# Allegro board rt1064_brkout_new_mem_layout.brd (continued)
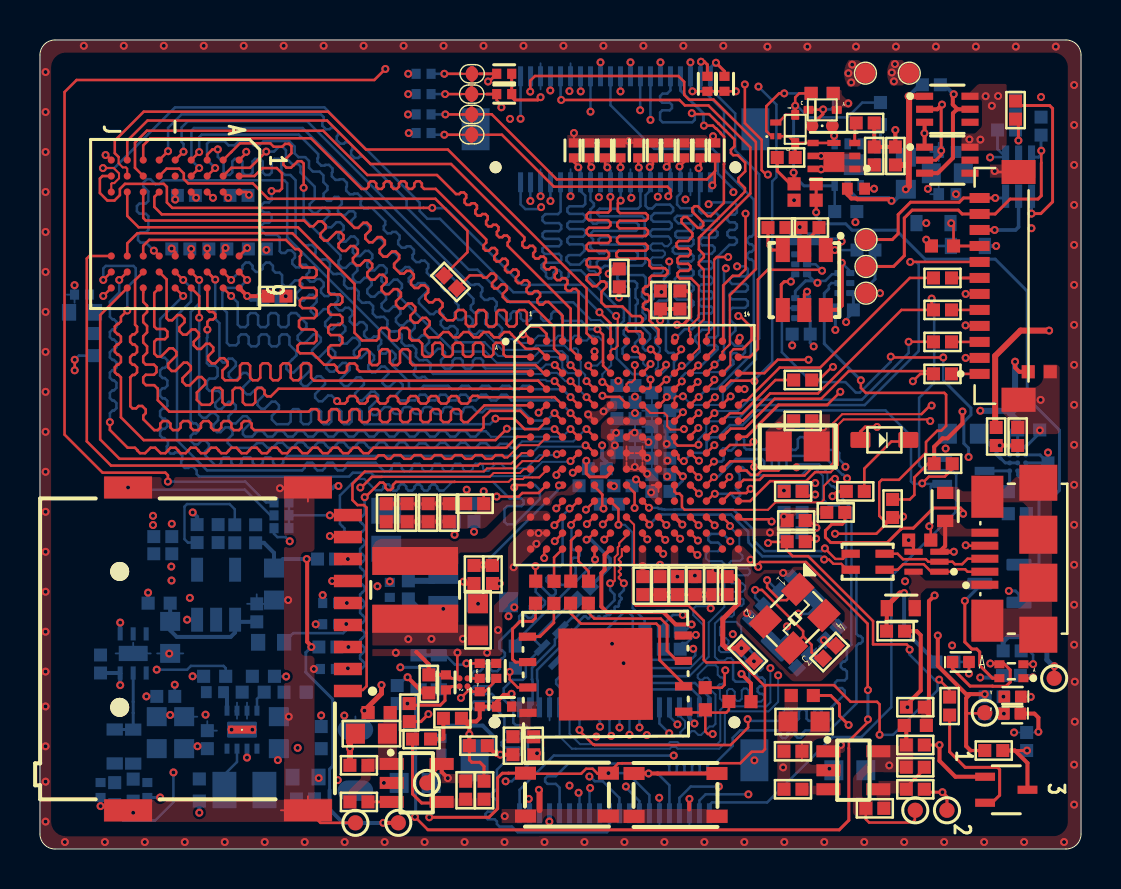
[diagram p0: board, top side]
## Routing (per net, layer and track width the routed paths; a pad name or vN(x,y) marks a point on that pad's centre or on a via; arc(x,y) is an arc through that point) (continued)
JTAG_NSRST: length 2.5
  TOP w0.131: v1(45.6,31.31) 45.72,31.19 R106.2
  TOP w0.147: R106.2 J4.9
JTAG_NTRST: length 23.1
  TOP w0.127: J4.8 v1(43.55,29.37) ; U7.G10 31.75,20.34 31.91,20.18 32.88,20.18 32.92,20.23 v1(32.95,20.23)
  BOTTOM w0.102: 32.95,20.46 32.95,20.49 33.34,20.88 33.34,21.21 33.53,21.4 34.06,21.4 34.27,21.61 35.02,21.61
  BOTTOM w0.127: v1(43.55,29.37) 43.85,29.37 43.97,29.24 43.97,24.91 41.27,22.21 35.62,22.21 35.02,21.61
  BOTTOM w0.15: v1(32.95,20.23) 32.95,20.46
JTAG_TCK: length 13.3
  TOP w0.127: R112.1 44.57,25.37 44.57,25.37 v1(43.47,25.37) ; U7.F12 v1(33.75,21.81)
  BOTTOM w0.102: v1(33.75,21.81) 33.85,21.91 34.59,21.91 34.59,21.91 34.89,21.91 34.89,21.91 34.91,21.91
  BOTTOM w0.127: v1(43.47,25.37) 43.47,24.82 41.13,22.47 35.48,22.47 34.91,21.91
JTAG_TMS: length 12.4
  TOP w0.127: R110.1 43.53,28.57 39.04,24.09 37.01,24.09 35.38,22.45 35.18,22.45 34.95,22.23 U7.E14
LDO_1V8: length 5.4
  TOP w0.15: TP29.1 19.36,3.52 U3.5
  TOP w0.2: C21.1 20.15,5.5 20.19,5.54 C25.1 ; v1(20.41,3.55) 20.1,3.86 U3.5
  BOTTOM w0.2: L11.1 20.09,4.79 20.09,4.35 19.58,3.84 C24.1
MCU_DCDC_IN_3V3: length 1
  TOP w0.127: v1(22.2,17.89) C10.1
  TOP w0.2: R47.2 v1(23.01,13.28)
  GND1 w0.2: v1(22.2,17.89) 22.2,17.89 22.14,17.89
  vias: v1(17.51,13.38) v1(18.9,16.37) v1(19.96,16.39)
MCU_ON/OFF: length 26.1
  TOP w0.127: v1(28.17,16.24) 28.53,16.61 U7.M6
  TOP w0.2: SW1.3 30.91,3.78 v1(30.45,3.78) SW1.4
  SIG1 w0.127: v1(28.17,16.24) 28.17,16.26 28.53,16.63 29.11,16.63 29.42,16.32 29.42,13.64 30.44,12.63 30.44,9.5 27.39,6.46 27.39,5.51 27.7,5.2 28.15,5.2 28.26,5.31 28.39,5.31 28.42,5.27 28.75,5.27 28.79,5.31 30.27,5.31 30.45,5.12 v1(30.45,3.78)
  BOTTOM w0.127: J6.32 31.5,3.19 30.91,3.78 v1(30.45,3.78)
MR: length 3.8
  BOTTOM w0.15: U2.5 4.67,7.37 4.67,7.37 4.67,6.81 4.67,6.81 D8.A 4.66,5.98 D6.A
NVCC_GPIO_3V3: length 5.1
  TOP w0.127: U7.E9 30.97,22.23 31.02,22.23 31.37,22.58 v1(31.37,22.61) ; v1(32.18,21.85) 31.75,21.43 U7.F10
  TOP w0.2: v1(32.17,18.64) 32.15,18.64 32.08,18.72 32.06,18.72 31.77,19.01 U7.J10 ; FB5.2 C78.1 31.05,26.46 v1(31.03,26.45)
  BOTTOM w0.147: C80.1 31.62,17.89 32.15,18.42 32.15,18.62 v1(32.17,18.64)
  BOTTOM w0.2: C79.1 32.03,21.93 32.05,21.91 32.12,21.91 v1(32.18,21.85)
NVCC_SD0: length 2.6
  TOP w0.15: U7.J6 28.55,18.82 28.35,18.62 27.51,18.62 27.34,18.79 v1(27.34,19.43)
  BOTTOM w0.15: C82.1 27.34,19.13 v1(27.34,19.43)
  vias: v1(5.66,16.67) v1(5.66,16.21)
NVCC_SD1: length 1.4
  TOP w0.127: 27.75,18.13 28.13,17.75 28.13,17.7 28.14,17.7 28.14,17.09
  TOP w0.15: 28.14,17.09 v1(28.2,17.03)
  TOP w0.2: U7.K5 27.75,18.13
  vias: v1(37.23,17.93)
OVR_V_CTL: length 3
  TOP w0.127: 39.18,36.99 38.47,36.99 D3.C
  TOP w0.15: v1(39.19,37) 39.18,36.99 39.18,36.76 38.63,36.22 R5.2
  BOTTOM w0.127: v1(39.19,37) 39.57,37 39.7,37.13 R6.1
OVR_V_FLAG: length 17.2
  TOP w0.127: R11.1 37.99,37.8 37.79,37.6 37.79,37.19 v1(37.79,37.19) ; Q3.3 36.95,36.34 37.34,36.73 D1.A
  TOP w0.15: C7.2 36.9,34.59 36.9,33.92 37.54,33.28 R12.1 37.74,33.82 v1(37.71,33.84) ; D1.A v1(37.79,37.19)
  BOTTOM w0.127: v1(37.79,37.19) 37.88,37.19 38.47,36.6 40.4,36.6 41.15,37.35 R10.1 ; R7.2 Q2.3
  BOTTOM w0.15: v1(37.79,37.19) 37.71,37.1 v1(37.71,33.84) 37.74,33.82 37.74,33.68 38.23,33.18 39.75,33.18 Q2.3
PMIC_ON_REQ: length 23.6
  TOP w0.09: U7.K7 29.35,18.21 29.36,18.22
  TOP w0.127: v1(29.75,17.06) 29.75,17.82 29.37,18.21 U7.K7
  SIG1 w0.127: v1(29.75,17.06) 29.75,17.08 29.12,17.71 24.84,17.71 15.59,8.46 12.45,8.46 12.32,8.59 v1(12.32,8.63)
  BOTTOM w0.127: v1(12.32,8.63) 11.74,8.63 R21.2
POR_B: length 129.3
  TOP w0.102: 29.81,12.18 29.66,12.32 29.66,14.03 29.73,14.09 29.73,16.23 29.35,16.6 U7.M7 ; R43.2 37.37,15.35
  TOP w0.127: 36.28,8.14 36.28,4.99 36.15,4.86 35.62,4.86 35.05,4.29 33.27,4.29 33.27,4.29 30.34,4.29 30.33,4.29 29.12,4.29 29.12,4.29 28.94,4.29 v1(28.45,3.8) 28.42,3.77 27.9,3.77 27.65,4.02 27.33,4.02 27.08,3.77 24.32,3.77 SW2.4 ; 36.28,8.14 35.66,8.76 35.66,8.76 35.08,9.33 33.35,9.33 33.22,9.46 33.22,11.42 32.46,12.18 29.81,12.18 ; 36.28,8.14 36.34,8.2 39.73,8.2 40.57,7.36 41.89,7.36 42.02,7.24 v1(42.02,5.71) ; v1(43.52,9.97) 43.52,10.08 43.37,10.24 41.69,10.24 41.69,11.4 38.44,14.65 37.67,14.65 37.37,14.95 37.37,15.35 ; v1(36.44,15.31) 36.49,15.36 37.29,15.36 37.3,15.38 R43.2 ; R44.2 45.52,7.95 v1(45,8.47)
  TOP w0.15: v1(19.48,1.59) 22.47,1.59 22.9,2.02 22.9,3.55 23.14,3.79 23.44,3.79 23.45,3.8 SW2.4
  SIG1 w0.127: 6.92,4.19 6.92,4.07 v1(6.68,3.83) ; 6.92,4.19 7.05,4.06 16.71,4.06 16.72,4.07 ; 6.92,4.19 6.92,8.05 v1(6.75,8.22) ; v1(45,8.47) 47.62,11.09 47.62,22.21 47.49,22.34 46.03,22.34 44.64,20.95 44.31,20.95 44.08,21.18 44.08,22.63 44.48,23.04 44.48,26.66 45.06,27.24 45.06,30.6 v1(44.35,31.31)
  SIG1 w0.15: v1(19.48,1.59) 18.74,2.33 17.37,2.33 16.74,2.96 16.74,4.05 16.72,4.07 16.72,6.8 17.96,8.04 17.96,9.01 v1(18.03,9.09)
  BOTTOM w0.127: J6.28 30.5,2.7 29.4,3.8 v1(28.45,3.8) ; R25.1 3.74,1.83 4.15,1.42 5.76,1.42 6.68,2.35 v1(6.68,3.83) ; v1(43.52,9.97) 43.52,9.72 44.92,8.32 44.92,7.94 42.69,5.71 v1(42.02,5.71) ; C61.1 v1(6.75,8.22)
  BOTTOM w0.15: 19.96,7.99 20.02,8.05 20.02,8.73 19.66,9.09 v1(18.03,9.09) ; D13.A v1(44.35,31.31)
  BOTTOM w0.16: 44.77,8.47 v1(45,8.47)
PWR_IN: length 10.3
  TOP w0.127: Q3.2 37.46,35.66 D1.C Q1.4 Q1.8
  TOP w0.15: R5.1 39.74,36.09 39.74,35.79 39.74,35.78 v1(39.74,35.69) 39.74,35.64 39.73,35.63 Q1.8 ; D1.C C7.1
  SIG1 w0.127: v1(39.74,35.69) 39.79,35.64 39.79,31.49 39.92,31.36 v1(40.81,31.36)
  BOTTOM w0.127: R7.1 40.81,31.82 v1(40.81,31.36)
SD1_CLK: length 21.3
  TOP w0.127: v1(25.84,18.71) 25.84,18.81 26.04,19.01 U7.J3
  SIG1 w0.127: v1(14.15,12.7) 14.24,12.79 15.71,12.79 16.69,13.77 16.69,13.92 16.81,14.03 17.12,14.03 17.23,14.14 17.23,14.3 17.12,14.41 16.81,14.41 16.69,14.52 16.69,14.68 16.81,14.79 17.12,14.79 17.23,14.9 17.23,15.06 17.12,15.17 16.81,15.17 16.69,15.28 16.69,15.44 16.81,15.55 17.12,15.55 17.23,15.67 17.23,15.82 17.12,15.93 16.81,15.93 16.69,16.05 16.69,16.2 16.81,16.32 17.12,16.32 17.23,16.43 17.23,16.58 17.12,16.7 16.81,16.7 16.69,16.81 16.69,17.84 17.23,18.37 20.72,18.37 20.73,18.38 21.05,18.38 21.06,18.37 22.79,18.37 23.51,17.65 24.05,17.65 24.53,18.13 25.2,18.13 25.78,18.71 v1(25.84,18.71)
  BOTTOM w0.127: R79.1 v1(14.15,12.7)
SD1_CMD: length 22.5
  TOP w0.127: U7.J4 26.84,19.01 v1(26.66,18.83) ; v1(15.44,10.11) J1.3
  SIG1 w0.127: v1(26.66,18.83) 26.56,18.83 26.2,19.18 25.02,19.18 24.8,18.96 24.8,18.96 24.72,18.88 14.62,18.88 13.76,18.01 13.76,11.91 15.44,10.23 v1(15.44,10.11)
SD1_D0: length 21.4
  TOP w0.102: U7.J1 24.21,19.01 24.02,18.81 22.7,18.81 22.51,18.62 17.11,18.62
  TOP w0.127: 17.11,18.62 16.61,18.62 16.08,18.08 v1(16.03,18.08)
  SIG1 w0.127: v1(15.41,14.51) 15.41,13.97 15.28,13.84 14.25,13.84 14.12,13.97 14.12,14.61 14.41,14.9 15.45,14.9 15.59,15.03 15.59,15.17 15.49,15.27 14.35,15.27 14.31,15.27 14.12,15.46 14.12,16 14.25,16.13 15.62,16.13 15.8,16.3 15.8,16.43 15.69,16.54 15.21,16.54 15.1,16.65 15.1,16.81 15.21,16.92 15.69,16.92 15.8,17.03 15.8,17.29 15.67,17.41 15.2,17.41 15.09,17.52 15.09,17.68 15.2,17.79 15.7,17.79 15.99,18.08 v1(16.03,18.08)
SD1_D1: length 22.6
  TOP w0.127: v1(23.73,18.09) 23.85,18.21 U7.K1 24.55,18.22 ; v1(14.51,15.66) 15.36,15.66 J1.8
  BOTTOM w0.102: 22.67,18.36 20.63,18.36 20.2,17.94
  BOTTOM w0.11: 16.79,17.95 16.23,18.51 15.83,18.51 15.58,18.26
  BOTTOM w0.127: 16.79,17.95 17.09,17.95 17.18,18.04 17.18,18.13 17.3,18.25 17.45,18.25 17.56,18.13 17.56,18.04 17.68,17.93 17.83,17.93 17.95,18.04 17.95,18.13 18.06,18.25 18.21,18.25 18.33,18.13 18.33,18.04 18.44,17.93 18.62,17.93 18.74,18.04 18.74,18.12 18.85,18.23 19,18.23 19.12,18.12 19.12,18.04 19.23,17.93 19.39,17.93 19.5,18.04 19.5,18.12 19.61,18.23 19.77,18.23 19.88,18.12 19.88,18.05 19.99,17.94 20.2,17.94 ; v1(23.73,18.09) 23.86,18.21 24.77,18.21 25.02,17.96 25.02,17.52 23.74,16.24 23.37,16.24 23.24,16.37 23.24,17.01 23.39,17.16 24.09,17.16 24.21,17.27 24.21,17.43 24.09,17.54 23.5,17.54 22.67,18.36 ; 15.58,18.26 15.58,18.25 15.01,17.68 15.01,17.03 15.12,16.91 15.12,16.91 15.24,16.8 15.24,16.65 15.12,16.53 15.12,16.53 15.01,16.42 15.01,16.26 15.12,16.15 15.12,16.15 15.24,16.04 15.24,15.91 14.98,15.66 v1(14.51,15.66)
SD1_D2: length 22
  TOP w0.102: U7.H2 24.95,19.41 24.14,19.41 23.78,19.04 22.37,19.04 22.21,18.89 16.26,18.89
  TOP w0.127: 16.26,18.89 15.64,18.27 15.64,17.46 15.89,17.21 16.21,17.21 16.34,17.08 16.34,10.82 16.35,10.81 16.35,8.15 16.16,7.96 15.46,7.96 J1.1
SD1_D3: length 21.5
  TOP w0.1: 24.25,18.59 24.17,18.51 23.59,18.51 23.45,18.37
  TOP w0.102: 23.45,18.37 20.75,18.37 ; 24.64,18.59 24.25,18.59
  TOP w0.11: 25.35,18.95 24.99,18.59 24.64,18.59
  TOP w0.127: v1(16.25,17.6) 16.37,17.71 16.39,17.71 17.01,18.33 17.17,18.33 17.29,18.22 17.29,18.07 17.4,17.96 17.55,17.96 17.67,18.07 17.67,18.22 17.82,18.37 20.75,18.37 20.75,18.37 ; v1(15.41,9.04) J1.2 ; U7.J2 25.35,18.95
  BOTTOM w0.127: v1(15.41,9.04) 16.12,9.04 16.25,9.17 16.25,9.3 16.14,9.41 16.13,9.41 16.02,9.52 16.02,9.68 16.13,9.79 16.14,9.79 16.25,9.9 16.25,10.06 16.14,10.17 16.13,10.17 16.02,10.29 16.02,10.44 16.13,10.56 16.14,10.56 16.25,10.67 16.25,10.82 16.14,10.94 16.13,10.94 16.02,11.05 16.02,11.21 16.13,11.32 16.14,11.32 16.25,11.43 16.25,11.59 16.14,11.7 16.13,11.7 16.02,11.81 16.02,11.97 16.13,12.08 16.14,12.08 16.25,12.19 16.25,12.35 16.14,12.46 16.13,12.46 16.02,12.57 16.02,12.73 16.13,12.84 16.14,12.84 16.25,12.95 16.25,13.11 16.14,13.22 16.13,13.22 16.02,13.33 16.02,13.49 16.13,13.6 16.14,13.6 16.25,13.71 16.25,13.87 16.14,13.98 16.13,13.98 16.02,14.1 16.02,14.25 16.13,14.37 16.14,14.37 16.25,14.48 16.25,14.63 16.14,14.75 16.13,14.75 16.02,14.86 16.02,15.02 16.13,15.13 16.14,15.13 16.25,15.24 16.25,15.4 16.14,15.51 16.13,15.51 16.02,15.62 16.02,15.78 16.13,15.89 16.14,15.89 16.25,16 16.25,16.16 16.14,16.27 16.13,16.27 16.02,16.38 16.02,16.54 16.13,16.65 16.14,16.65 16.25,16.76 16.25,17.38
  BOTTOM w0.15: v1(16.25,17.6) 16.25,17.38
SD_CD_SW: length 82.3
  TOP w0.127: v1(35.75,23.4) 35.72,23.43 34.57,23.43 U7.D13 ; v1(17.28,39.02) 16.73,38.47 1.83,38.47 1.23,37.87 1.23,20.73 3.13,18.83 6.27,18.83 6.4,18.7 v1(6.4,18.38)
  POWER w0.127: v1(17.28,39.02) 17.47,39.21 20.57,39.21 20.84,38.94 35.15,38.94 v1(35.95,38.14)
  BOTTOM w0.127: v1(35.95,38.14) 36.85,37.24 36.85,33.61 36.64,33.4 36.64,24.36 35.75,23.47 v1(35.75,23.4) ; v1(6.4,18.38) 10.27,18.38 11.31,17.34 R78.2
SD_PWREN: length 50.5
  TOP w0.102: 35.94,14.26 v1(35.94,14.11)
  TOP w0.127: v1(41.43,7.95) 41.42,7.96 41.42,11.27 38.33,14.36 36.04,14.36 35.94,14.26 ; 40.48,5.04 40.48,5.4 41.43,6.35 v1(41.43,6.48) ; U7.M12 v1(33.76,16.19) ; v1(18.76,1.61) 19.41,0.96
  TOP w0.15: 19.41,0.96 40,0.96 40.48,1.44 40.48,5.04
  SIG1 w0.127: v1(35.94,14.11) 35.94,14.29 35.96,14.31 35.96,14.65 34.93,15.69 34.93,16.38 34.7,16.61 34.16,16.61 33.76,16.21 v1(33.76,16.19)
  BOTTOM w0.127: 18.8,1.64 v1(18.76,1.61)
  BOTTOM w0.15: v1(41.43,6.48) v1(41.43,7.95) ; 18.94,7.99 18.8,7.84 18.8,1.64
SDRAM_3V3: length 10.9
  TOP w0.127: U9.A7 v1(10.37,30.07) ; U9.E7 6.77,29.86 v1(6.59,30.04) ; U9.C7 v1(8.37,30.05) ; U9.B3 9.42,32.61 v1(9.42,32.57) ; U9.J9 v1(3.17,27.67) ; v1(7.81,32.58) 7.76,32.63 7.76,32.67 U9.D3
  TOP w0.2: U9.A9 v1(10.37,27.67) 10.37,27.66 C90.1
  GND2 w0.127: 8.84,29.4 10.2,29.4 10.37,29.57 v1(10.37,30.07) ; 8.84,29.4 6.81,29.4 6.59,29.62 v1(6.59,30.04) ; 8.84,29.4 8.71,29.53 8.71,29.7 v1(8.37,30.05)
  BOTTOM w0.2: C93.1 10.55,27.48 v1(10.37,27.67)
SDRAM_CLK: length 19.8
  TOP w0.127: U9.F2 6.34,34.04 6.96,34.04 7.2,33.8 7.2,33.51 7.41,33.3 10.65,33.3 11.43,32.53 19.79,32.53 21.39,30.93 21.39,29.86 R74.2
SEMC_A0: length 33.9
  TOP w0.127: U7.C2 25.21,23.81 24.81,24.21 18.65,24.21 18.52,24.34 18.52,24.88 18.4,25 18.14,25 18.02,24.88 18.02,24.34 17.89,24.21 17.63,24.21 17.51,24.34 17.51,24.88 17.38,25 17.13,25 17,24.88 17,24.34 16.87,24.21 16.62,24.21 16.49,24.34 16.49,24.88 16.36,25 16.11,25 15.98,24.88 15.98,24.7 15.86,24.57 14.61,24.57 14.43,24.76 14.43,25.08 14.55,25.2 15,25.2 15.13,25.33 15.13,25.58 15,25.71 14.55,25.71 14.43,25.84 14.43,26.09 14.55,26.22 15,26.22 15.13,26.35 15.13,26.6 15,26.73 14.55,26.73 14.43,26.85 14.43,27.11 14.55,27.24 15,27.24 15.13,27.36 15.13,27.62 15,27.74 14.55,27.74 14.43,27.87 14.43,28.97 14.44,28.99 12.63,30.81 4.88,30.81 4.37,30.3 U9.H7
SEMC_A1: length 34.7
  TOP w0.127: U9.H8 v1(3.97,28.47) ; U7.G1 24.53,20.63 23.88,20.63 23.33,20.07 16.69,20.07 16.56,19.95 16.56,19.93 16.44,19.8 16.18,19.8 16.06,19.93 16.06,19.95 15.93,20.07 15.68,20.07 15.55,19.95 15.55,19.93 15.42,19.8 15.17,19.8 15.04,19.93 15.04,19.95 14.91,20.07 14.66,20.07 14.53,19.95 14.53,19.93 14.41,19.8 14.15,19.8 14.02,19.93 14.02,19.95 13.9,20.07 13.64,20.07 13.52,19.95 13.52,19.93 13.39,19.8 13.14,19.8 13.01,19.93 13.01,19.95 12.88,20.07 12.63,20.07 12.5,19.95 12.5,19.93 12.37,19.8 12.12,19.8 11.99,19.93 11.99,19.95 11.87,20.07 11.61,20.07 11.48,19.95 11.48,19.93 11.36,19.8 11.1,19.8 10.98,19.93 10.98,19.95 10.85,20.07 10.6,20.07 10.47,19.95 10.47,19.93 10.34,19.8 10.09,19.8 9.96,19.93 9.96,19.95 9.83,20.07 9.58,20.07 9.45,19.95 9.45,19.93 9.33,19.8 9.07,19.8 8.94,19.93 8.94,19.95 8.82,20.07 8.56,20.07 8.44,19.95 8.44,19.93 8.31,19.8 8.06,19.8 7.93,19.93 7.93,19.95 7.8,20.07 7.55,20.07 7.42,19.95 7.42,19.93 7.29,19.8 7.04,19.8 6.91,19.93 6.91,19.95 6.79,20.07 6.53,20.07 6.4,19.95 6.4,19.93 6.28,19.8 6.04,19.8 5.77,20.07 5.53,20.07 5.26,19.8 5.01,19.8 4.88,19.93 4.88,19.95 4.75,20.07 4.39,20.07 3.5,20.97 v1(3.5,21.36)
  BOTTOM w0.127: v1(3.5,21.36) 3.5,21.8 3.62,21.93 3.7,21.93 3.83,22.06 3.83,22.31 3.7,22.44 3.62,22.44 3.5,22.56 3.5,22.82 3.62,22.94 3.7,22.94 3.83,23.07 3.83,23.33 3.7,23.45 3.62,23.45 3.5,23.58 3.5,23.83 3.62,23.96 3.7,23.96 3.83,24.09 3.83,24.34 3.7,24.47 3.62,24.47 3.5,24.6 3.5,24.85 3.62,24.98 3.7,24.98 3.83,25.1 3.83,25.36 3.7,25.48 3.62,25.48 3.5,25.61 3.5,25.87 3.62,25.99 3.7,25.99 3.83,26.12 3.83,26.37 3.7,26.5 3.62,26.5 3.5,26.63 3.5,27.37 3.97,27.84 v1(3.97,28.47)
SEMC_A2: length 34.5
  TOP w0.127: U7.G3 v1(25.75,21.01) ; v1(23.37,21.03) 22.8,20.46 5.19,20.46 4.05,21.6 4.05,23.6 3.92,23.73 3.88,23.73 3.75,23.85 3.75,24.11 3.88,24.23 3.92,24.23 4.05,24.36 4.05,24.62 3.92,24.74 3.88,24.74 3.75,24.87 3.75,25.12 3.88,25.25 3.92,25.25 4.05,25.38 4.05,25.63 3.92,25.76 3.88,25.76 3.75,25.89 3.75,26.14 3.88,26.27 3.92,26.27 4.05,26.39 4.05,26.62 v1(4.37,26.94) ; U9.J8 v1(3.17,28.47)
  BOTTOM w0.127: v1(25.75,21.01) 25.73,21.03 v1(23.37,21.03) ; v1(3.17,28.47) 3.17,29.04 3.29,29.17 4.68,29.17 4.79,29.06 4.79,28.52 4.37,28.1 v1(4.37,26.94)
SEMC_A3: length 33.4
  TOP w0.102: U7.H1 24.11,19.81 23.58,19.28 22.69,19.28 22.69,19.28 22.01,19.28 21.92,19.18
  TOP w0.127: 21.92,19.18 3.56,19.18 2.34,20.39 2.34,29.54 2.47,29.67 U9.J7
SEMC_A4: length 34.3
  TOP w0.102: U9.J3 3.57,33.27 3.61,33.31 3.71,33.31 3.96,33.55 3.96,33.8 3.68,34.07 3.28,34.07
  TOP w0.127: U7.A6 28.55,26.3 v1(28,26.85) ; 3.28,34.07 3.16,34.07 v1(3.15,34.06)
  BOTTOM w0.127: v1(3.15,34.06) 3.72,34.06 6.76,37.1 14.23,37.1 19,32.33 19,31.91 19.39,31.53 20.02,31.53 23.69,27.85 27,27.85 v1(28,26.85)
SEMC_A5: length 33.4
  TOP w0.102: U7.B6 28.55,24.92 28.65,25.02 28.76,25.02 28.91,25.17 28.91,26.59
  TOP w0.127: v1(19.63,32.07) 19.19,32.07 19.19,32.08 6.62,32.08 6.35,32.34 6.35,33.12 6.2,33.28 4.26,33.28 4,33.02 4,32.71 3.72,32.44 3.38,32.44 3,32.82 3,33.54 3.12,33.67 U9.J2 ; 28.91,26.59 v1(28.83,26.67)
  BOTTOM w0.127: v1(28.83,26.67) 28.76,26.67 27.21,28.22 24.12,28.22 20.28,32.06 19.64,32.06 v1(19.63,32.07)
SEMC_A6: length 32.4
  TOP w0.127: U7.B1 24.53,24.63 23.33,24.63 23.2,24.75 23.2,25.2 23.07,25.32 22.82,25.32 22.69,25.2 22.69,24.75 22.56,24.63 22.31,24.63 22.18,24.75 22.18,25.2 22.06,25.32 21.8,25.32 21.67,25.2 21.67,24.75 21.55,24.63 21.29,24.63 21.17,24.75 21.17,25.2 21.04,25.32 20.79,25.32 20.66,25.2 20.66,24.75 20.53,24.63 20.28,24.63 20.15,24.75 20.15,25.2 20.02,25.32 19.77,25.32 19.64,25.2 19.64,24.75 19.52,24.63 19.25,24.63 19.13,24.75 19.13,25.28 18.96,25.44 18.62,25.44 18.49,25.57 18.49,25.94 18.36,26.07 18.11,26.07 17.98,25.94 17.98,25.57 17.85,25.44 17.6,25.44 17.47,25.57 17.47,25.94 17.35,26.07 17.09,26.07 16.96,25.94 16.96,25.57 16.84,25.44 16.13,25.44 15.74,25.83 15.74,28.27 12.91,31.1 4.94,31.1 4.37,31.67 U9.H3
SEMC_A7: length 32.8
  TOP w0.102: U9.H2 4.37,34.03 4.3,34.1 4.14,34.1 3.94,34.31 3.94,34.62
  TOP w0.127: 3.94,34.62 3.74,34.81 3.74,35.44 5.19,36.89 14.42,36.89 16.31,34.99 20.41,34.99 27.35,28.05 27.35,25.8 U7.A5
SEMC_A8: length 32.3
  TOP w0.127: U7.A4 26.95,27.89 26.82,28.02 26.66,28.02 26.57,27.92 26.41,27.92 26.3,28.03 26.3,28.19 26.39,28.29 26.39,28.45 26.28,28.56 26.13,28.56 26.03,28.46 25.87,28.46 25.76,28.57 25.76,28.73 25.86,28.83 25.86,28.99 25.74,29.1 25.59,29.1 25.49,29 25.33,29 25.22,29.11 25.22,29.27 25.32,29.37 25.32,29.52 25.21,29.64 25.05,29.64 24.95,29.54 24.79,29.54 24.68,29.65 24.68,29.81 24.78,29.91 24.78,30.06 24.67,30.18 24.51,30.18 24.41,30.08 24.25,30.08 24.14,30.19 24.14,30.35 24.24,30.44 24.24,30.6 20.57,34.27 16.54,34.27 14.37,36.44 5.38,36.44 4.37,35.43 U9.H1
SEMC_A9: length 32.7
  TOP w0.127: U7.B2 24.93,25.03 24.31,25.03 23.61,25.72 23.61,25.74 23.49,25.86 23.23,25.86 23.1,25.74 23.1,25.72 22.98,25.6 22.72,25.6 22.6,25.72 22.6,25.74 22.47,25.86 22.22,25.86 22.09,25.74 22.09,25.72 21.96,25.6 21.71,25.6 21.58,25.72 21.58,25.74 21.45,25.86 21.2,25.86 21.07,25.74 21.07,25.72 20.95,25.6 20.69,25.6 20.56,25.72 20.56,25.74 20.44,25.86 20.18,25.86 20.06,25.74 20.06,25.72 19.93,25.6 19.45,25.6 19.25,25.79 19.25,25.97 19.5,26.21 19.5,26.39 19.32,26.57 19.14,26.57 18.9,26.33 18.72,26.33 18.54,26.51 18.54,26.69 18.78,26.93 18.78,27.11 18.6,27.29 18.42,27.29 18.18,27.05 18,27.05 17.82,27.23 17.82,27.41 18.06,27.65 18.06,27.83 17.88,28.01 17.7,28.01 17.46,27.76 17.28,27.76 17.1,27.94 17.1,28.12 17.34,28.37 17.34,28.55 17.16,28.73 16.98,28.73 16.74,28.48 16.56,28.48 16.38,28.66 16.38,28.84 16.63,29.09 16.63,29.27 16.45,29.45 16.27,29.45 16.02,29.2 15.84,29.2 15.66,29.38 15.66,29.56 15.91,29.81 15.91,29.99 15.73,30.17 15.55,30.17 15.3,29.92 15.12,29.92 14.94,30.1 14.94,30.28 15.19,30.52 15.19,30.7 15.03,30.86 14.83,30.86 14.4,30.44 14.22,30.44 14.04,30.62 14.04,30.8 14.29,31.04 14.29,31.22 14.11,31.4 13.93,31.4 13.68,31.15 13.5,31.15 13.21,31.44 5.29,31.44 5.17,31.57 U9.G3
SEMC_A10: length 32.3
  TOP w0.102: 23.25,19.59 23.39,19.59 24.01,20.2 24.95,20.2 U7.G2
  TOP w0.127: 23.25,19.59 23.13,19.71 22.8,19.71 22.62,19.52 22.29,19.52 22.11,19.71 21.78,19.71 21.6,19.52 21.28,19.52 21.09,19.71 20.77,19.71 20.59,19.52 20.26,19.52 20.08,19.71 19.75,19.71 19.57,19.52 19.24,19.52 19.06,19.71 18.74,19.71 18.55,19.52 18.23,19.52 18.05,19.71 17.72,19.71 17.54,19.52 17.38,19.52 17.21,19.7 16.95,19.7 16.78,19.52 3.98,19.52 3.01,20.49 3.01,26.71 U9.H9
SEMC_A11: length 32.2
  TOP w0.127: U9.G2 4.75,34.08 4.75,35.34 5.35,35.94 14.17,35.94 16.39,33.72 19.87,33.72 20.82,32.76 20.98,32.76 21.06,32.84 21.22,32.84 21.33,32.73 21.33,32.57 21.25,32.5 21.25,32.34 21.36,32.23 21.52,32.23 21.6,32.31 21.75,32.31 21.87,32.19 21.87,32.04 21.79,31.96 21.79,31.8 21.9,31.69 22.06,31.69 22.14,31.77 22.29,31.77 22.41,31.65 22.41,31.5 22.33,31.42 22.33,31.26 22.44,31.15 22.6,31.15 22.67,31.23 22.83,31.23 22.94,31.12 22.94,30.96 22.86,30.88 22.86,30.72 22.98,30.61 23.13,30.61 23.21,30.69 23.37,30.69 23.48,30.58 23.48,30.42 23.4,30.34 23.4,30.18 26.55,27.03 26.55,25 U7.B4
SEMC_A12: length 32.2
  TOP w0.127: U7.A3 26.15,26.68 25.45,27.37 25.3,27.37 25.16,27.24 25,27.24 24.89,27.35 24.89,27.5 25.03,27.64 25.03,27.8 24.92,27.91 24.76,27.91 24.62,27.77 24.46,27.77 24.35,27.89 24.35,28.04 24.49,28.18 24.49,28.34 24.38,28.45 24.22,28.45 24.08,28.31 23.92,28.31 23.81,28.42 23.81,28.58 23.95,28.72 23.95,28.88 23.84,28.99 23.68,28.99 23.54,28.85 23.39,28.85 23.27,28.96 23.27,29.12 23.41,29.26 23.41,29.42 23.3,29.53 23.14,29.53 23,29.39 22.85,29.39 22.74,29.5 22.74,29.66 22.87,29.8 22.87,29.95 22.76,30.07 22.6,30.07 22.47,29.93 22.31,29.93 22.2,30.04 22.2,30.2 22.33,30.34 22.33,30.49 19.8,33.02 19.22,33.02 19.11,33.13 19.11,33.29 19,33.41 18.84,33.41 18.73,33.29 18.73,33.13 18.62,33.02 18.46,33.02 18.35,33.13 18.35,33.29 18.24,33.41 18.08,33.41 17.97,33.29 17.97,33.13 17.86,33.02 17.7,33.02 17.59,33.13 17.59,33.29 17.47,33.41 17.32,33.41 17.21,33.29 17.21,33.13 17.09,33.02 16.94,33.02 16.82,33.13 16.82,33.29 16.71,33.41 16.56,33.41 16.44,33.29 16.44,33.13 16.33,33.02 16.09,33.02 13.56,35.56 5.53,35.56 5.17,35.2 U9.G1
SEMC_BA0: length 32.2
  TOP w0.127: U7.C1 24.47,23.89 16,23.89 15.87,24.01 15.87,24.16 15.74,24.29 15.49,24.29 15.36,24.16 15.36,23.95 15.24,23.83 14.98,23.83 14.86,23.95 14.86,24.1 14.73,24.23 14.22,24.23 13.65,24.8 13.02,24.8 12.89,24.92 12.89,25.18 13.02,25.3 13.71,25.3 13.83,25.43 13.83,25.86 13.7,25.99 13.09,25.99 12.96,26.12 12.96,26.42 13.1,26.56 13.72,26.56 13.84,26.69 13.84,26.93 13.72,27.06 13.13,27.06 13.01,27.19 13.01,27.44 13.13,27.57 13.72,27.57 13.84,27.69 13.84,27.95 13.72,28.07 13.13,28.07 13.01,28.2 13.01,28.46 13.13,28.58 13.72,28.58 13.84,28.71 13.84,28.96 13.72,29.09 13.13,29.09 13.01,29.22 13.01,29.65 13.07,29.71 13.07,29.88 12.94,30.01 12.77,30.01 12.31,30.47 5.47,30.47 5.17,30.18 U9.G7
SEMC_BA1: length 33
  TOP w0.127: U7.F1 24.04,21.92 22.53,21.92 22.2,21.59 22.2,21.08 22.07,20.96 10.72,20.96 10.59,21.08 10.59,21.28 10.47,21.41 10.21,21.41 10.09,21.28 10.09,21.08 9.96,20.96 9.7,20.96 9.58,21.08 9.58,21.28 9.45,21.41 9.2,21.41 9.07,21.28 9.07,21.08 8.94,20.96 8.69,20.96 8.56,21.08 8.56,21.28 8.43,21.41 8.18,21.41 8.05,21.28 8.05,21.08 7.93,20.96 7.67,20.96 7.55,21.08 7.55,21.28 7.42,21.41 7.16,21.41 7.04,21.28 7.04,21.08 6.91,20.96 6.66,20.96 6.53,21.08 6.53,21.28 6.4,21.41 6.15,21.41 6.02,21.28 6.02,21.08 5.89,20.96 5.72,20.96 5.17,21.5 5.17,21.68 5.29,21.81 5.29,21.98 5.11,22.16 4.93,22.16 4.81,22.04 4.63,22.04 4.52,22.15 4.52,23.58 4.51,23.59 4.64,23.72 4.73,23.72 4.86,23.84 4.86,24.1 4.73,24.23 4.64,24.23 4.51,24.35 4.51,24.61 4.64,24.73 4.73,24.73 4.86,24.86 4.86,25.11 4.73,25.24 4.64,25.24 4.51,25.37 4.51,25.62 4.64,25.75 4.73,25.75 4.86,25.88 4.86,26.13 4.76,26.23 4.76,28.46 U9.G8
SEMC_CAS: length 33.1
  TOP w0.127: U7.D3 v1(25.75,23.41) ; v1(5.7,29.93) U9.F7
  BOTTOM w0.102: v1(25.75,23.41) 25.36,23.41 25.29,23.47 19.4,23.47
  BOTTOM w0.127: v1(5.7,29.93) 5.3,30.34 5.03,30.34 4.9,30.47 4.9,30.72 5.03,30.85 5.3,30.85 5.42,30.97 5.42,31.66 5.3,31.78 4.98,31.78 4.85,31.91 4.85,32.16 4.98,32.29 5.3,32.29 5.42,32.42 5.42,32.9 5.17,33.15 5.17,33.33 5.35,33.51 5.53,33.51 5.78,33.26 5.96,33.26 6.16,33.45 12.23,33.45 12.37,33.31 12.37,30.6 18.79,24.19 18.79,24.01 18.71,23.93 18.71,23.75 18.89,23.57 19.07,23.57 19.12,23.62 19.25,23.62 19.4,23.47
SEMC_CKE: length 33
  TOP w0.127: U9.F3 5.72,32.62 5.72,32.12 6.09,31.75 15.07,31.75 15.74,31.07 15.92,31.07 16.18,31.33 16.36,31.33 16.54,31.15 16.54,30.97 16.28,30.71 16.28,30.53 16.46,30.36 16.64,30.36 16.9,30.61 17.08,30.61 17.26,30.43 17.26,30.25 17,30 17,29.82 17.18,29.64 17.36,29.64 17.62,29.89 17.8,29.89 17.98,29.71 17.98,29.53 17.72,29.28 17.72,29.1 18.03,28.79 18.21,28.79 18.35,28.92 18.53,28.92 18.71,28.74 18.71,28.56 18.57,28.43 18.57,28.25 18.75,28.07 18.93,28.07 19.07,28.2 19.25,28.2 19.43,28.02 19.43,27.84 19.29,27.71 19.29,27.53 19.47,27.35 19.65,27.35 19.78,27.49 19.96,27.49 20.14,27.31 20.14,27.13 20.01,26.99 20.01,26.81 20.36,26.45 20.67,26.45 20.8,26.58 20.8,26.84 20.93,26.97 21.18,26.97 21.31,26.84 21.31,26.27 21.44,26.14 21.7,26.14 21.82,26.27 21.82,26.84 21.95,26.96 22.21,26.96 22.33,26.84 22.33,26.27 22.46,26.14 22.71,26.14 22.84,26.27 22.84,26.84 22.97,26.96 23.22,26.96 23.35,26.84 23.35,26.27 23.48,26.14 23.73,26.14 23.86,26.27 23.86,26.84 23.98,26.96 24.24,26.96 24.36,26.84 24.36,26.27 24.49,26.14 24.99,26.14 25.35,25.78 U7.A2
SEMC_CLK: length 9.4
  TOP w0.127: U7.B3 25.73,25.03 25.73,26.12 24.46,27.38 23.4,27.38 23.16,27.62 23.16,27.78 23.37,27.98 23.37,28.14 23.25,28.25 23.1,28.25 22.89,28.05 22.73,28.05 22.62,28.16 22.62,28.31 22.83,28.52 22.83,28.68 22.71,28.79 22.56,28.79 22.35,28.58 22.2,28.58 22.08,28.7 21.51,28.7 R74.1
SEMC_CS0: length 34.5
  TOP w0.127: U9.G9 5.17,27.37 5.36,27.18 5.36,26.86 5.17,26.67 5.17,26.36 5.36,26.16 5.36,25.85 5.17,25.66 5.17,25.34 5.36,25.15 5.36,24.83 5.17,24.64 5.17,24.36 5.29,24.23 5.7,24.23 5.83,24.11 5.83,23.85 5.7,23.72 5.29,23.72 5.17,23.6 5.17,23.34 5.31,23.21 5.72,23.21 5.89,23.03 5.9,23.03 5.9,22.45 6.47,21.88 13.45,21.88 13.58,22 13.83,22 13.96,21.88 13.96,21.48 14.09,21.36 14.34,21.36 14.47,21.48 14.47,21.88 14.6,22 14.85,22 14.98,21.88 14.98,21.48 15.1,21.36 15.36,21.36 15.48,21.48 15.48,21.88 15.61,22 15.87,22 15.99,21.88 15.99,21.48 16.12,21.36 16.37,21.36 16.5,21.48 16.5,21.88 16.63,22 16.88,22 17.01,21.88 17.01,21.48 17.14,21.36 17.39,21.36 17.52,21.48 17.52,21.88 17.64,22 17.9,22 18.02,21.88 18.02,21.48 18.15,21.36 18.41,21.36 18.53,21.48 18.53,21.88 18.66,22 18.91,22 19.04,21.88 19.04,21.48 19.17,21.36 19.42,21.36 19.55,21.48 19.55,21.88 19.68,22 19.93,22 20.06,21.88 20.06,21.48 20.18,21.36 20.44,21.36 20.56,21.48 20.56,21.88 20.69,22 20.95,22 21.07,21.88 21.07,21.48 21.2,21.36 21.4,21.36 22.25,22.2 24.54,22.2 U7.E1
SEMC_D0: length 33.2
  TOP w0.127: v1(14.87,22.41) 15,22.28 15.25,22.28 15.38,22.41 15.38,22.53 15.5,22.66 15.76,22.66 15.89,22.53 15.89,22.41 16.01,22.28 16.27,22.28 16.39,22.41 16.39,22.53 16.52,22.66 16.77,22.66 16.9,22.53 16.9,22.41 17.03,22.28 17.28,22.28 17.41,22.41 17.41,22.53 17.54,22.66 17.79,22.66 17.92,22.53 17.92,22.41 18.04,22.28 18.3,22.28 18.43,22.41 18.43,22.53 18.55,22.66 18.81,22.66 18.93,22.53 18.93,22.41 19.06,22.28 19.31,22.28 19.44,22.41 19.44,22.53 19.57,22.66 19.82,22.66 19.95,22.53 19.95,22.41 20.08,22.28 20.33,22.28 20.46,22.41 20.46,22.53 20.58,22.66 20.84,22.66 20.97,22.53 20.97,22.41 21.09,22.28 21.39,22.28 21.52,22.42 21.52,22.54 21.65,22.67 21.91,22.67 21.97,22.6 25.61,22.6 25.61,22.61 25.75,22.61 U7.E3 ; U9.A8 v1(10.37,28.47)